# Allegro board SG2042_EVB_V1_1.brd (continued)
## Routing (per net, layer and track width the routed paths; a pad name or vN(x,y) marks a point on that pad's centre or on a via; arc(x,y) is an arc through that point) (continued)
DDR3_DQ7: length 65.3
  TOP w0.089: U1.B10 120.08,133.25 120.08,134.58 119.72,134.94 119.72,137.42 115.47,141.67 109.23,141.67 101.48,149.43 101.48,149.76 101.34,149.9
  TOP w0.16: 101.34,149.9 93.55,157.68 92.94,157.68 92.78,157.84 92.78,158.29 92.62,158.45 92.22,158.45 92.06,158.29 92.06,157.84 91.9,157.68 91.5,157.68 91.34,157.84 91.34,159.89 91.17,160.06 90.78,160.06 90.62,159.9 90.62,157.84 90.46,157.68 90.06,157.68 89.9,157.84 89.9,159.39 89.74,159.55 89.34,159.55 89.18,159.39 89.18,157.84 89.02,157.68 88.62,157.68 88.46,157.84 88.46,159.39 88.3,159.55 87.54,159.55 86.74,160.35 81.87,160.35 81.41,160.81 79.77,160.81 arc(79.56,160.85) 79.38,160.97 J4.155
DDR3_DQ8: length 56.2
  TOP w0.089: U1.D8 117.97,131.15 117.97,132.86 118.08,132.96 118.08,134.37 117.49,134.96 117.49,136.64 114.59,139.54 98.49,139.54 86.4,151.63 86.4,153.25 86.22,153.43
  TOP w0.16: J4.16 77.34,156.56 79.61,156.56 arc(79.91,156.5) 80.17,156.33 80.23,156.27 arc(80.49,156.09) 80.8,156.03 81.27,156.03 81.4,156.17 83.71,156.17 86.22,153.66 86.22,153.43
DDR3_DQ9: length 50.8
  TOP w0.114: 85.43,153.43 86.03,152.83 86.03,151.48 98.34,139.17 98.64,139.17 114.44,139.17 117.12,136.49 117.12,134.98 117.86,134.24 117.86,133.03 U1.B8
  TOP w0.16: 85.43,153.43 83.66,155.21 81.77,155.21 81.27,155.71 79.77,155.71 arc(79.56,155.75) 79.38,155.87 J4.161
DDR3_DQ10: length 51.1
  TOP w0.114: U1.D5 113.97,131.15 113.97,133.71 112.39,135.29 95.67,135.29 90.1,140.86 89.37,140.86
  TOP w0.16: J4.23 77.22,150.77 arc(77.52,150.71) 77.78,150.54 78.05,150.27 arc(78.22,150.01) 78.28,149.71 78.28,145.9 arc(78.34,145.59) 78.52,145.33 78.79,145.06 arc(79.05,144.88) 79.36,144.82 79.43,144.82 arc(79.73,144.76) 79.99,144.59 80.37,144.21 arc(80.63,144.03) 80.94,143.97 82.01,143.97 84.82,141.16 89.07,141.16 89.37,140.86
DDR3_DQ11: length 47.6
  TOP w0.089: 89.88,141.37 90.12,141.37 95.82,135.66 112.54,135.66 114.47,133.73 U1.A5
  TOP w0.16: J4.168 82.34,148.57 82.34,146.31 82.68,145.97 82.68,145.74 82.4,145.46 82.4,145.24 82.68,144.95 82.91,144.95 83.19,145.23 83.42,145.23 83.7,144.95 83.7,144.72 83.1,144.13 83.1,143.9 83.38,143.62 83.61,143.62 84.21,144.21 84.43,144.21 84.72,143.93 84.72,143.71 84.12,143.11 84.12,142.88 84.4,142.6 84.63,142.6 85.23,143.2 85.45,143.2 85.74,142.91 85.74,142.69 85.45,142.41 85.45,142.18 85.74,141.9 85.96,141.9 86.24,142.18 86.47,142.18 86.77,141.88 89.37,141.88 89.88,141.37
DDR3_DQ12: length 56.4
  TOP w0.089: U1.B9 118.47,132.98 118.87,133.37 118.87,134.21 118.63,134.45 118.38,134.45 117.84,134.99 117.84,136.79 114.74,139.9 98.64,139.9 86.75,151.78 86.75,153.25 86.94,153.43
  TOP w0.16: 86.94,153.43 86.94,153.96 83.69,157.21 81.47,157.21 81.27,157.41 80.78,157.41 arc(80.47,157.35) 80.21,157.18 80.15,157.12 arc(79.89,156.94) 79.59,156.88 79.05,156.88 arc(78.75,156.94) 78.49,157.12 J4.14
DDR3_DQ13: length 57.2
  TOP w0.114: U1.C9 118.86,132.03 118.86,133 119.09,133.24 119.09,134.3 118.72,134.67 118.54,134.67 118.21,135 118.21,136.94 114.89,140.27 98.79,140.27 87.12,151.93 87.12,152.9 87.66,153.43
  TOP w0.16: 87.66,153.43 87.66,154.26 86.52,155.4 86.52,155.63 86.67,155.78 86.67,156.01 86.39,156.29 86.16,156.29 86.01,156.14 85.78,156.14 85.5,156.42 85.5,156.65 85.65,156.8 85.65,157.03 85.37,157.31 85.14,157.31 84.99,157.15 84.76,157.15 83.99,157.93 81.47,157.93 81.27,157.73 79.77,157.73 arc(79.56,157.69) 79.38,157.57 J4.159
DDR3_DQ14: length 53
  TOP w0.089: U1.B5 114.97,133.15 114.97,133.73 112.69,136.02 95.97,136.02 90.39,141.6 90.39,141.88
  TOP w0.16: 90.39,141.88 89.67,142.6 87.96,142.6 87.37,143.19 87.14,143.19 86.92,142.97 86.7,142.97 86.41,143.25 86.41,143.48 86.63,143.7 86.63,143.92 86.35,144.21 86.12,144.21 85.9,143.99 85.68,143.99 85.4,144.27 85.4,144.5 85.61,144.72 85.61,144.94 85.33,145.23 85.1,145.23 84.89,145.01 84.66,145.01 84.38,145.29 84.38,145.52 84.6,145.73 84.6,145.96 84.31,146.24 84.09,146.24 83.87,146.03 83.64,146.03 83.36,146.31 83.36,146.53 83.58,146.75 83.58,146.98 83.06,147.5 83.06,149.21 81.55,150.72 80.99,150.72 arc(80.69,150.78) 80.43,150.95 79.99,151.39 arc(79.73,151.56) 79.43,151.62 79.04,151.62 arc(78.73,151.68) 78.47,151.86 78.09,152.24 arc(77.83,152.41) 77.53,152.47 J4.21
DDR3_DQ15: length 52.5
  TOP w0.114: U1.A6 115.47,133.75 112.84,136.39 96.12,136.39 90.9,141.61 90.9,142.39
  TOP w0.16: J4.166 80.99,151.62 81.17,151.44 81.85,151.44 84.45,148.84 84.45,148.61 83.83,147.99 83.83,147.77 84.11,147.49 84.34,147.49 84.96,148.1 85.18,148.1 85.47,147.82 85.47,147.59 84.85,146.98 84.85,146.75 85.13,146.47 85.36,146.47 85.98,147.09 86.2,147.09 86.48,146.8 86.48,146.58 85.87,145.96 85.87,145.73 86.15,145.45 86.38,145.45 86.99,146.07 87.22,146.07 87.5,145.78 87.5,145.56 86.88,144.94 86.88,144.71 87.17,144.43 87.39,144.43 88.01,145.05 88.24,145.05 88.52,144.77 88.52,144.54 87.9,143.92 87.9,143.69 88.19,143.41 88.41,143.41 89.03,144.03 89.26,144.03 90.9,142.39
DDR3_DQ16: length 73.1
  TOP w0.16: U1.H14 v1(123.97,127.15)
  ART10 w0.089: 125.7,135.15 125.7,135.14 125.07,134.51 125.07,133.26 124.57,132.76 124.57,127.74 v1(123.97,127.15)
  ART10 w0.168: 125.7,135.15 125.7,138.66 116.78,147.58 102.05,147.58 99.61,150.03 82.93,150.03 82.02,149.11 80.97,149.11 arc(80.65,149.18) 80.37,149.36 80.06,149.68 arc(79.78,149.86) 79.46,149.92 79.05,149.92 arc(78.73,149.99) 78.46,150.17 78.1,150.53 arc(77.83,150.71) 77.51,150.77 77.15,150.77 arc(76.83,150.71) 76.56,150.53 76.2,150.17 arc(75.93,149.99) 75.61,149.92 74.95,149.92 arc(74.66,149.86) 74.42,149.7 74.39,149.68 arc(74.23,149.44) 74.17,149.15 74.17,149.1 arc(74.23,148.81) 74.4,148.55 J4.27
DDR3_DQ17: length 56.8
  TOP w0.16: U1.E13 v1(122.97,130.15)
  ART10 w0.089: 123.94,135.15 123.94,134.83 123.88,134.77 123.88,133.34 123.38,132.84 123.38,130.55 v1(122.97,130.15)
  ART10 w0.168: 123.94,135.15 123.94,137.93 116.05,145.82 101.32,145.82 98.88,148.26 96.99,148.26 95.52,146.79 81.62,146.79 arc(81.58,146.79) 81.53,146.78 arc(81.24,146.7) 80.98,146.52 J4.172
DDR3_DQ18: length 55.9
  TOP w0.16: U1.E10 v1(119.97,130.15)
  ART10 w0.089: v1(119.97,130.15) 119.57,130.55 119.57,134.85 119.86,135.15
  ART10 w0.168: J4.34 79.41,141.42 arc(79.73,141.36) 80,141.18 80.21,140.97 arc(80.48,140.79) 80.8,140.73 81.27,140.73 81.48,140.94 82.69,140.94 82.86,141.11 82.86,141.67 83.03,141.83 83.45,141.83 83.62,141.67 83.62,141.11 83.78,140.94 84.2,140.94 84.37,141.11 84.37,141.67 84.54,141.83 84.96,141.83 85.12,141.67 85.12,141.11 85.29,140.94 85.71,140.94 85.88,141.11 85.88,141.67 86.05,141.83 94.15,141.83 95.76,140.23 115.87,140.23 119.86,136.24 119.86,135.15
DDR3_DQ19: length 56.8
  TOP w0.16: U1.G10 v1(119.97,128.15)
  ART10 w0.089: 119.28,135.15 119.38,135.04 119.38,128.74 v1(119.97,128.15)
  ART10 w0.168: J4.179 79.38,140.57 arc(79.56,140.46) 79.76,140.42 81.27,140.42 81.35,140.34 86.86,140.34 87.03,140.5 87.03,140.98 87.19,141.15 87.61,141.15 87.78,140.98 87.78,140.5 87.95,140.34 88.37,140.34 88.53,140.5 88.53,140.98 88.7,141.15 89.12,141.15 89.29,140.98 89.29,140.5 89.46,140.34 89.88,140.34 90.04,140.5 90.04,140.98 90.21,141.15 90.63,141.15 90.8,140.98 90.8,140.5 90.97,140.34 91.38,140.34 91.55,140.5 91.55,140.98 91.72,141.15 92.14,141.15 92.31,140.98 92.31,140.5 92.47,140.34 92.89,140.34 93.06,140.5 93.06,140.98 93.23,141.15 93.65,141.15 93.81,140.98 93.81,140.5 93.98,140.34 94.82,140.34 95.51,139.64 115.63,139.64 119.28,136 119.28,135.15
DDR3_DQ20: length 63.9
  TOP w0.16: U1.E14 v1(123.97,130.15)
  ART10 w0.089: v1(123.97,130.15) 123.57,130.55 123.57,132.76 124.07,133.26 124.07,134.69 124.53,135.15
  ART10 w0.168: J4.25 75.61,149.1 77.45,149.1 arc(77.8,149.03) 78.1,148.83 78.46,148.47 arc(78.73,148.29) 79.06,148.22 79.41,148.22 arc(79.73,148.16) 80,147.98 80.36,147.62 arc(80.63,147.44) 80.96,147.37 81.35,147.37 81.63,147.65 95.56,147.65 96.75,148.84 99.13,148.84 101.57,146.41 116.3,146.41 124.53,138.17 124.53,135.15
DDR3_DQ21: length 64.7
  TOP w0.16: U1.F14 v1(123.97,129.15)
  ART10 w0.089: v1(123.97,129.15) 124.38,129.55 124.38,132.84 124.88,133.34 124.88,134.59 125.11,134.83 125.11,135.15
  ART10 w0.168: 125.11,135.15 125.11,138.42 116.54,146.99 101.81,146.99 99.37,149.43 96.51,149.43 95.59,148.51 88.87,148.51 88.71,148.68 88.71,149.18 88.54,149.35 88.12,149.35 87.95,149.18 87.95,148.68 87.79,148.51 87.37,148.51 87.2,148.68 87.2,149.18 87.03,149.35 86.61,149.35 86.44,149.18 86.44,148.68 86.28,148.51 85.86,148.51 85.69,148.68 85.69,149.18 85.52,149.35 85.1,149.35 84.94,149.18 84.94,148.68 84.77,148.51 84.35,148.51 84.18,148.68 84.18,149.18 84.01,149.35 83.59,149.35 83.43,149.18 83.43,148.68 83.26,148.51 81.69,148.51 arc(81.61,148.51) 81.53,148.5 arc(81.24,148.41) 80.98,148.22 J4.170
DDR3_DQ22: length 63.8
  TOP w0.16: U1.F11 v1(120.97,129.15)
  ART10 w0.089: 121.04,135.15 120.57,134.68 120.57,129.55 v1(120.97,129.15)
  ART10 w0.168: J4.32 79.41,143.12 arc(79.73,143.06) 80,142.88 80.21,142.67 arc(80.48,142.49) 80.8,142.43 81.27,142.43 81.85,143.01 94.63,143.01 96.24,141.4 99.62,141.4 101.12,142.91 101.88,142.91 102.05,142.75 102.05,141.72 102.22,141.55 102.64,141.55 102.8,141.72 102.8,142.75 102.97,142.91 103.39,142.91 103.56,142.75 103.56,141.72 103.72,141.55 104.14,141.55 104.31,141.72 104.31,142.75 104.48,142.91 104.9,142.91 105.07,142.75 105.07,141.72 105.23,141.55 105.65,141.55 105.82,141.72 105.82,142.75 105.99,142.91 114.85,142.91 121.04,136.73 121.04,135.15
DDR3_DQ23: length 69.1
  TOP w0.16: U1.H11 v1(120.97,127.15)
  ART10 w0.089: 120.45,135.15 120.45,134.83 120.38,134.76 120.38,127.74 v1(120.97,127.15)
  ART10 w0.168: J4.177 79.38,142.27 arc(79.56,142.16) 79.76,142.12 81.81,142.12 82.12,142.43 94.39,142.43 96,140.82 106.55,140.82 106.72,140.99 106.72,142.15 106.88,142.32 107.3,142.32 107.47,142.15 107.47,140.99 107.64,140.82 108.06,140.82 108.23,140.99 108.23,142.15 108.39,142.32 108.81,142.32 108.98,142.15 108.98,140.99 109.15,140.82 109.57,140.82 109.73,140.99 109.73,142.15 109.9,142.32 110.32,142.32 110.49,142.15 110.49,140.99 110.66,140.82 111.08,140.82 111.24,140.99 111.24,142.15 111.41,142.32 111.83,142.32 112,142.15 112,140.99 112.16,140.82 112.58,140.82 112.75,140.99 112.75,142.15 112.92,142.32 113.34,142.32 113.51,142.15 113.51,140.99 113.67,140.82 114.09,140.82 114.26,140.99 114.26,141.87 114.43,142.04 114.85,142.04 115.01,141.87 115.01,140.99 115.18,140.82 116.11,140.82 120.45,136.48 120.45,135.15
DDR3_DQ24: length 50.6
  TOP w0.16: U1.H9 v1(117.97,127.15)
  ART10 w0.089: v1(117.97,127.15) 117.57,127.55 117.57,133.43 117.04,133.95 117.04,135.14 117.04,135.15
  ART10 w0.168: J4.38 77.18,138.02 arc(77.36,137.91) 77.56,137.87 79.57,137.87 arc(79.89,137.8) 80.16,137.62 80.21,137.57 arc(80.48,137.39) 80.8,137.33 81.27,137.33 81.99,138.05 83.82,138.05 84.4,137.46 114.72,137.46 117.04,135.15
DDR3_DQ25: length 44.8
  TOP w0.16: U1.E8 v1(116.97,130.15)
  ART10 w0.089: v1(116.97,130.15) 117.38,130.55 117.38,133.35 116.85,133.87 116.85,134.5 116.21,135.15
  ART10 w0.168: J4.183 79.38,137.17 arc(79.56,137.06) 79.76,137.01 81.27,137.01 81.43,136.86 82.16,136.86 82.33,137.03 82.33,137.3 82.5,137.46 82.92,137.46 83.09,137.3 83.09,137.03 83.25,136.86 114.5,136.86 116.21,135.15
DDR3_DQ26: length 43.8
  TOP w0.16: U1.E5 v1(113.97,130.15)
  ART10 w0.089: 108.59,133.37 109.23,133.37 109.55,133.05 113.91,133.05 114.38,132.59 114.38,130.55 v1(113.97,130.15)
  ART10 w0.168: J4.45 75.62,132.11 77.59,132.11 arc(77.87,132.16) 78.1,132.32 78.46,132.68 arc(78.73,132.86) 79.05,132.92 79.41,132.92 arc(79.73,132.86) 80,132.68 80.37,132.31 arc(80.63,132.13) 80.94,132.07 81.31,132.07 81.6,131.79 90.73,131.79 92.32,133.37 108.59,133.37
DDR3_DQ27: length 43.5
  TOP w0.16: U1.G5 v1(114.97,128.15)
  ART10 w0.089: 108.81,132.78 109.85,131.74 113.2,131.74 113.57,131.37 113.57,128.99 113.82,128.74 114.38,128.74 v1(114.97,128.15)
  ART10 w0.168: J4.190 80.98,131.22 arc(81.24,131.04) 81.53,130.95 arc(81.6,130.94) 81.67,130.94 92.05,130.94 92.22,131.1 92.22,132.27 92.39,132.44 92.8,132.44 92.97,132.27 92.97,131.1 93.14,130.94 93.56,130.94 93.73,131.1 93.73,132.61 93.89,132.78 94.31,132.78 94.48,132.61 94.48,132.15 94.65,131.98 95.07,131.98 95.24,132.15 95.24,132.61 95.4,132.78 108.81,132.78
DDR3_DQ28: length 50.3
  TOP w0.16: U1.F9 v1(118.97,129.15)
  ART10 w0.089: v1(118.97,129.15) 118.38,129.74 118.38,133.32 117.88,133.82 117.88,134.26 117.68,134.47 117.68,135.15
  ART10 w0.168: J4.36 77.18,139.72 arc(77.26,139.33) 77.48,139 78.06,138.42 arc(78.33,138.24) 78.65,138.18 79.57,138.18 arc(79.89,138.24) 80.16,138.42 80.21,138.47 arc(80.48,138.65) 80.8,138.71 83.98,138.71 84.65,138.05 114.97,138.05 117.68,135.34 117.68,135.15
DDR3_DQ29: length 50.2
  TOP w0.16: U1.E9 v1(118.97,130.15)
  ART10 w0.089: 118.26,135.15 118.26,134.65 118.07,134.45 118.07,133.9 118.57,133.4 118.57,130.55 v1(118.97,130.15)
  ART10 w0.168: J4.181 79.38,138.87 arc(79.56,138.99) 79.76,139.03 81.27,139.03 81.57,139.33 84.89,139.33 85.06,139.16 85.06,138.83 85.23,138.66 85.65,138.66 85.82,138.83 85.82,139.16 85.98,139.33 86.4,139.33 86.57,139.16 86.57,138.83 86.74,138.66 87.16,138.66 87.32,138.83 87.32,139.16 87.49,139.33 87.91,139.33 88.08,139.16 88.08,138.83 88.25,138.66 88.67,138.66 88.83,138.83 88.83,139.16 89,139.33 89.42,139.33 89.59,139.16 89.59,138.81 89.76,138.64 115.21,138.64 118.26,135.59 118.26,135.15
DDR3_DQ30: length 50.6
  TOP w0.16: U1.H6 v1(115.97,127.15)
  ART10 w0.089: v1(115.97,127.15) 115.47,127.65 114.77,127.65 114.47,127.95 114.47,128.33 114.25,128.55 113.74,128.55 113.38,128.91 113.38,131.29 113.12,131.55 109.77,131.55 109.47,131.85 109.13,132.19 108.81,132.19
  ART10 w0.168: J4.43 74.39,132.58 arc(74.23,132.33) 74.17,132.04 74.17,132.01 arc(74.23,131.72) 74.39,131.48 74.42,131.45 arc(74.67,131.28) 74.97,131.22 75.61,131.22 arc(75.93,131.16) 76.2,130.98 76.56,130.62 arc(76.83,130.44) 77.15,130.37 77.51,130.37 arc(77.83,130.44) 78.1,130.62 78.46,130.98 arc(78.73,131.16) 79.05,131.22 79.41,131.22 arc(79.73,131.16) 80,130.98 80.38,130.6 arc(80.66,130.41) 80.98,130.35 94.27,130.35 96.11,132.19 108.81,132.19
DDR3_DQ31: length 48.8
  TOP w0.16: U1.F6 v1(114.97,129.15)
  ART10 w0.089: 108.92,133.95 109.63,133.24 113.99,133.24 114.57,132.67 114.57,129.55 v1(114.97,129.15)
  ART10 w0.168: J4.188 80.98,132.92 arc(81.24,132.75) 81.53,132.67 arc(81.57,132.66) 81.6,132.66 84.75,132.66 84.86,132.78 84.86,133.79 85.03,133.95 85.45,133.95 85.62,133.79 85.62,132.78 85.79,132.61 86.21,132.61 86.37,132.78 86.37,133.79 86.54,133.95 86.96,133.95 87.13,133.79 87.13,132.78 87.3,132.61 87.71,132.61 87.88,132.78 87.88,133.79 88.05,133.95 88.47,133.95 88.64,133.79 88.64,132.78 88.8,132.61 89.22,132.61 89.39,132.78 89.39,133.79 89.56,133.95 89.98,133.95 90.15,133.79 90.15,132.78 90.31,132.61 90.73,132.61 90.9,132.78 90.9,133.79 91.07,133.95 108.92,133.95
DDR3_DQ32: length 59.2
  TOP w0.089: 91,91.53 91,91.82 98.13,98.96 98.13,110.81 105.69,118.37 109.8,118.37 110.02,118.15 110.97,118.15 U1.T2
  TOP w0.16: J4.97 77.53,82.77 arc(77.83,82.71) 78.09,82.54 78.47,82.16 arc(78.73,81.98) 79.04,81.92 79.43,81.92 arc(79.73,81.98) 79.99,82.16 80.43,82.59 arc(80.69,82.77) 80.99,82.83 82.29,82.83 83.59,84.13 83.59,85.2 85.62,87.22 86.69,87.22 91,91.53
DDR3_DQ33: length 54.2
  TOP w0.114: U1.U1 109.82,117.65 109.82,117.66 109.48,118 105.85,118 98.5,110.65 98.5,98.81 91.51,91.81 91.51,91.02
  TOP w0.16: J4.242 80.98,81.92 arc(81.19,82.06) 81.43,82.11 82.59,82.11 84.92,84.43 84.92,84.66 84.61,84.97 84.61,85.2 84.89,85.48 85.12,85.48 85.43,85.17 85.66,85.17 85.94,85.45 85.94,85.68 85.63,85.99 85.63,86.21 85.91,86.5 86.14,86.5 86.45,86.19 86.67,86.19 91.51,91.02
DDR3_DQ34: length 62
  TOP w0.089: 98.35,91.44 98.35,91.65 102.1,95.4 102.1,109.36 107.26,114.53 109.6,114.53 109.88,114.25 110.67,114.25 110.96,114.54 110.96,114.74 111.26,115.04 112.08,115.04 U1.Y3
  TOP w0.16: J4.104 79.44,76.82 arc(79.74,76.76) 80,76.59 80.22,76.37 arc(80.48,76.19) 80.79,76.13 81.27,76.13 81.47,76.33 83.24,76.33 92.63,85.73 95.38,85.73 98.31,88.67 98.31,91.41 98.35,91.44
DDR3_DQ35: length 58.7
  TOP w0.114: 99.03,90.81 99.03,91.82 102.46,95.25 102.46,109.21 107.42,114.16 109.56,114.16 109.69,114.03 110.86,114.03 U1.Y2
  TOP w0.16: J4.249 79.38,75.97 arc(79.56,75.85) 79.77,75.81 81.27,75.81 81.47,75.61 83.54,75.61 92.93,85.01 95.68,85.01 99.03,88.37 99.03,90.81
DDR3_DQ36: length 63
  TOP w0.114: U1.T4 113.03,119.09 105.39,119.09 97.41,111.11 97.41,99.26 90.7,92.55 89.98,92.55
  TOP w0.16: 89.98,92.55 88.53,91.1 87.6,91.1 87.44,91.26 87.44,91.89 87.28,92.05 86.88,92.05 86.72,91.89 86.72,91.26 86.56,91.1 85.86,91.1 82.15,87.39 82.15,84.72 81.9,84.47 80.94,84.47 arc(80.63,84.41) 80.37,84.24 79.99,83.86 arc(79.73,83.68) 79.43,83.62 79.04,83.62 arc(78.73,83.68) 78.47,83.86 78.09,84.24 arc(77.83,84.41) 77.53,84.47 J4.95
DDR3_DQ37: length 60.3
  TOP w0.089: U1.T1 110.4,118.72 105.55,118.72 97.78,110.95 97.78,99.11 90.71,92.04 90.49,92.04
  TOP w0.16: J4.240 82.07,83.62 82.87,84.43 82.87,85.5 84.12,86.74 84.12,86.97 83.57,87.51 83.57,87.74 83.86,88.02 84.08,88.02 84.63,87.48 84.86,87.48 85.14,87.76 85.14,87.99 84.57,88.56 84.57,88.78 84.85,89.07 85.08,89.07 86.17,87.97 86.4,87.97 86.68,88.25 86.68,88.48 85.64,89.52 85.64,89.75 85.92,90.03 86.15,90.03 87.19,88.99 87.41,88.99 87.7,89.27 87.7,89.5 87.33,89.87 87.33,90.1 87.61,90.38 87.84,90.38 88.21,90.01 88.45,90.01 90.49,92.04
DDR3_DQ38: length 63.6
  TOP w0.114: 97.33,92.46 98.13,92.46 101.37,95.7 101.37,109.66 106.96,115.25 110.62,115.25 111.02,115.65 U1.W2
  TOP w0.16: 97.33,92.46 96.3,91.43 96.3,91.21 96.68,90.83 96.68,90.61 96.4,90.32 96.17,90.32 95.79,90.7 95.57,90.7 95.29,90.42 95.29,90.19 95.66,89.82 95.66,89.59 95.38,89.31 95.15,89.31 94.78,89.68 94.55,89.68 94.27,89.4 94.27,89.17 94.64,88.8 94.64,88.57 94.36,88.29 94.13,88.29 93.76,88.66 93.53,88.66 93.25,88.38 93.25,88.15 93.62,87.78 93.62,87.55 93.34,87.27 93.11,87.27 92.74,87.64 92.51,87.64 82.9,78.03 81.47,78.03 81.27,77.83 80.84,77.83 arc(80.54,77.89) 80.28,78.07 80.06,78.29 arc(79.8,78.46) 79.49,78.52 J4.102
DDR3_DQ39: length 64.3
  TOP w0.089: U1.W4 113.08,115.25 111.06,115.25 110.85,115.04 109.86,115.04 109.7,114.88 107.12,114.88 101.74,109.51 101.74,95.55 98.14,91.95 97.84,91.95
  TOP w0.16: 97.84,91.95 97.59,91.71 97.59,90.51 97.04,89.95 97.04,89.73 97.58,89.19 97.58,88.97 97.29,88.68 97.07,88.68 96.53,89.22 96.31,89.22 96.02,88.93 96.02,88.71 96.56,88.17 96.56,87.95 96.28,87.66 96.05,87.66 95.51,88.2 95.29,88.2 95.01,87.92 95.01,87.69 95.54,87.16 95.54,86.93 95.26,86.65 95.03,86.65 94.5,87.18 94.27,87.18 93.54,86.45 92.34,86.45 83.2,77.31 81.47,77.31 81.27,77.51 79.77,77.51 arc(79.56,77.55) 79.38,77.67 J4.247
DDR3_DQ40: length 63.6
  TOP w0.089: 96.22,82.54 96.22,82.8 103.87,90.45 103.87,108.62 108.24,112.99 110.15,112.99 110.2,113.04 110.87,113.04 U1.AA2
  TOP w0.16: J4.108 77.34,73.26 79.59,73.26 arc(79.89,73.2) 80.15,73.03 80.21,72.97 arc(80.47,72.79) 80.78,72.73 81.27,72.73 81.47,72.93 81.77,72.93 82.07,72.63 85.38,72.63 88.21,75.46 88.43,75.46 88.66,75.23 88.89,75.23 89.17,75.51 89.17,75.73 88.94,75.97 88.94,76.19 89.22,76.48 89.45,76.48 89.68,76.24 89.92,76.24 96.22,82.54
DDR3_DQ41: length 61.2
  TOP w0.114: 96.73,82.03 96.73,82.79 104.24,90.3 104.24,108.47 108.39,112.62 110.45,112.62 U1.AB1
  TOP w0.16: J4.253 79.38,72.57 arc(79.56,72.45) 79.77,72.41 81.27,72.41 81.77,71.91 86.61,71.91 87.03,72.33 87.03,72.55 86.79,72.79 86.79,73.02 87.07,73.3 87.3,73.3 87.54,73.06 87.76,73.06 88.04,73.35 88.04,73.57 87.8,73.81 87.8,74.04 88.09,74.32 88.31,74.32 88.55,74.08 88.78,74.08 96.73,82.03
DDR3_DQ42: length 68.3
  TOP w0.089: U1.AE2 111.08,109.25 110.01,109.25 107.84,107.08 107.84,86.89 95.22,74.27 95.22,74
  TOP w0.16: J4.115 77.53,67.47 arc(77.83,67.41) 78.09,67.24 78.47,66.86 arc(78.73,66.68) 79.04,66.62 79.43,66.62 arc(79.73,66.68) 79.99,66.86 80.21,67.08 arc(80.47,67.25) 80.78,67.31 81.39,67.31 82.92,65.78 88.9,65.78 94.87,71.75 94.87,73.65 95.22,74
DDR3_DQ43: length 64.8
  TOP w0.114: U1.AE3 111.86,109.03 110.31,109.03 108.2,106.93 108.2,86.74 95.73,74.26 95.73,73.49
  TOP w0.16: J4.260 82.55,65.06 83.42,65.06 83.58,64.9 83.58,64.63 83.74,64.47 84.14,64.47 84.3,64.63 84.3,64.9 84.46,65.06 89.19,65.06 95.59,71.45 95.59,73.35 95.73,73.49
DDR3_DQ44: length 73.1
  TOP w0.089: 95.71,83.05 95.97,83.05 103.52,90.6 103.52,108.77 108.09,113.35 110.1,113.35 110.19,113.25 110.7,113.25 110.98,113.53 110.98,113.75 111.27,114.04 113.08,114.04 U1.AA4
  TOP w0.16: J4.106 78.49,73.82 arc(78.75,73.64) 79.05,73.58 79.59,73.58 arc(79.89,73.64) 80.15,73.82 80.21,73.88 arc(80.47,74.05) 80.78,74.11 81.27,74.11 81.47,73.91 81.81,73.91 82.37,73.35 85.08,73.35 85.5,73.77 85.5,73.99 85.07,74.43 85.07,74.65 85.35,74.93 85.57,74.93 86.01,74.5 86.23,74.5 86.52,74.79 86.52,75.01 86.08,75.44 86.08,75.67 86.37,75.95 86.59,75.95 87.02,75.52 87.25,75.52 87.53,75.8 87.53,76.03 87.1,76.46 87.1,76.69 87.39,76.97 87.61,76.97 88.04,76.54 88.27,76.54 88.55,76.82 88.55,77.05 88.12,77.48 88.12,77.71 88.4,77.99 88.63,77.99 89.06,77.56 89.29,77.56 89.57,77.84 89.57,78.07 89.14,78.5 89.14,78.73 89.42,79.01 89.65,79.01 90.55,78.11 90.77,78.11 95.71,83.05
DDR3_DQ45: length 69.9
  TOP w0.114: 95.2,83.56 95.96,83.56 103.15,90.75 103.15,108.92 107.94,113.72 110.4,113.72 U1.AA1
  TOP w0.16: J4.251 79.38,74.27 arc(79.56,74.39) 79.77,74.43 81.27,74.43 81.47,74.63 83.93,74.63 89.5,80.21 89.73,80.21 90.67,79.26 90.9,79.26 91.18,79.55 91.18,79.77 90.24,80.72 90.24,80.94 90.52,81.23 90.75,81.23 91.69,80.28 91.92,80.28 92.2,80.57 92.2,80.79 91.26,81.73 91.26,81.96 91.54,82.24 91.77,82.24 92.71,81.3 92.94,81.3 93.22,81.59 93.22,81.81 92.28,82.75 92.28,82.98 92.56,83.26 92.79,83.26 93.73,82.32 93.95,82.32 94.24,82.6 94.24,82.83 93.54,83.53 93.54,83.76 93.82,84.04 94.05,84.04 94.75,83.34 94.98,83.34 95.2,83.56
DDR3_DQ46: length 73.2
  TOP w0.089: 94.71,74.51 94.95,74.51 107.48,87.04 107.48,107.23 109.42,109.17 109.42,109.58 109.89,110.04 112.87,110.04 U1.AD4
  TOP w0.16: J4.113 77.53,69.17 arc(77.83,69.11) 78.09,68.94 78.47,68.56 arc(78.73,68.38) 79.04,68.32 79.43,68.32 arc(79.73,68.26) 79.99,68.09 80.21,67.87 arc(80.47,67.69) 80.78,67.63 82.09,67.63 82.45,67.27 84.07,67.27 84.23,67.11 84.23,66.66 84.39,66.5 84.79,66.5 84.95,66.66 84.95,67.11 85.11,67.27 85.51,67.27 85.67,67.11 85.67,66.66 85.83,66.5 86.23,66.5 86.39,66.66 86.39,67.11 86.55,67.27 86.95,67.27 87.11,67.11 87.11,66.66 87.27,66.5 87.67,66.5 87.83,66.66 87.83,67.11 87.99,67.27 89.37,67.27 94.15,72.04 94.15,73.95 94.71,74.51
DDR3_DQ47: length 71.7
  TOP w0.114: 94.2,75.02 94.94,75.02 107.11,87.19 107.11,107.38 109.12,109.39 109.12,109.68 109.7,110.26 111.09,110.26 U1.AD2
  TOP w0.16: 94.2,75.02 92.7,73.52 92.7,73.29 93.43,72.57 93.43,72.34 93.14,72.06 92.92,72.06 92.19,72.78 91.97,72.78 91.68,72.5 91.68,72.28 92.41,71.55 92.41,71.32 92.12,71.04 91.9,71.04 91.17,71.77 90.95,71.77 90.66,71.48 90.66,71.26 91.39,70.53 91.39,70.31 91.1,70.02 90.88,70.02 90.15,70.75 89.93,70.75 89.65,70.46 89.65,70.24 90.37,69.51 90.37,69.29 90.09,69 89.86,69 89.14,69.73 88.91,69.73 88.63,69.45 88.63,69.22 89.35,68.5 89.35,68.27 89.07,67.99 88.84,67.99 88.12,68.71 87.89,68.71 87.32,68.14 81.42,68.14 arc(81.18,68.19) 80.98,68.32 J4.258
DDR3_DQ48: length 87
  TOP w0.16: U1.T8 v1(116.97,118.15)
  ART10 w0.089: v1(116.97,118.15) 116.57,117.74 111.82,117.74 110.81,118.76 108.52,118.76 107.97,119.31
  ART10 w0.168: J4.119 77.51,64.07 arc(77.83,64.01) 78.1,63.83 78.46,63.47 arc(78.73,63.29) 79.05,63.22 79.41,63.22 arc(79.73,63.29) 80,63.47 80.36,63.83 arc(80.63,64.01) 80.96,64.07 81.37,64.07 81.64,64.34 82.08,64.34 83.71,65.97 83.71,67.32 86.63,70.24 87.98,70.24 96.28,78.53 96.28,96.61 96.69,97.02 96.69,112.81 103.19,119.31 107.97,119.31
DDR3_DQ49: length 81.6
  TOP w0.16: U1.U5 v1(113.97,117.15)
  ART10 w0.089: v1(113.97,117.15) 113.57,117.55 111.63,117.55 110.68,118.5 108.19,118.5 107.97,118.73
  ART10 w0.168: J4.264 80.98,63.22 arc(81.24,63.4) 81.53,63.47 arc(81.56,63.47) 81.59,63.47 82.05,63.47 84.89,66.32 84.89,66.55 84.46,66.98 84.46,67.22 84.76,67.51 85,67.51 85.42,67.09 85.66,67.09 85.96,67.38 85.96,67.62 85.53,68.05 85.53,68.28 85.83,68.58 86.07,68.58 86.49,68.16 86.73,68.16 87.02,68.45 87.02,68.69 86.6,69.11 86.6,69.35 86.9,69.65 87.13,69.65 87.56,69.22 87.8,69.22 96.86,78.29 96.86,96.36 97.27,96.77 97.27,112.56 103.44,118.73 107.97,118.73
DDR3_DQ50: length 83.1
  TOP w0.16: U1.Y5 v1(114.97,114.15)
  ART10 w0.089: 109.3,114.65 109.51,114.65 109.98,114.17 113.41,114.17 113.81,113.77 114.6,113.77 v1(114.97,114.15)
  ART10 w0.168: J4.126 79.41,58.12 arc(79.73,58.06) 80,57.88 80.21,57.67 arc(80.48,57.49) 80.8,57.43 81.27,57.43 81.42,57.58 82.93,57.58 93.56,68.21 93.56,69.22 100.94,76.6 100.94,94.67 101.35,95.08 101.35,110.47 105.53,114.65 109.3,114.65
DDR3_DQ51: length 85
  TOP w0.16: U1.Y7 v1(116.97,114.15)
  ART10 w0.089: 109.3,114.06 109.74,114.06 109.88,113.92 113.31,113.92 113.71,113.52 116.35,113.52 v1(116.97,114.15)
  ART10 w0.168: J4.271 79.38,57.27 arc(79.56,57.16) 79.76,57.11 81.27,57.11 81.43,56.96 83.14,56.96 94.68,68.5 94.68,68.74 94.41,69 94.41,69.24 94.71,69.54 94.94,69.54 95.21,69.27 95.45,69.27 95.74,69.57 95.74,69.8 95.48,70.07 95.48,70.31 95.77,70.6 96.01,70.6 96.28,70.34 96.51,70.34 96.81,70.63 96.81,70.87 96.55,71.14 96.55,71.37 101.53,76.36 101.53,94.43 101.94,94.84 101.94,110.23 105.77,114.06 109.3,114.06